# KiCad board yddraig030.kicad_pcb (continued)
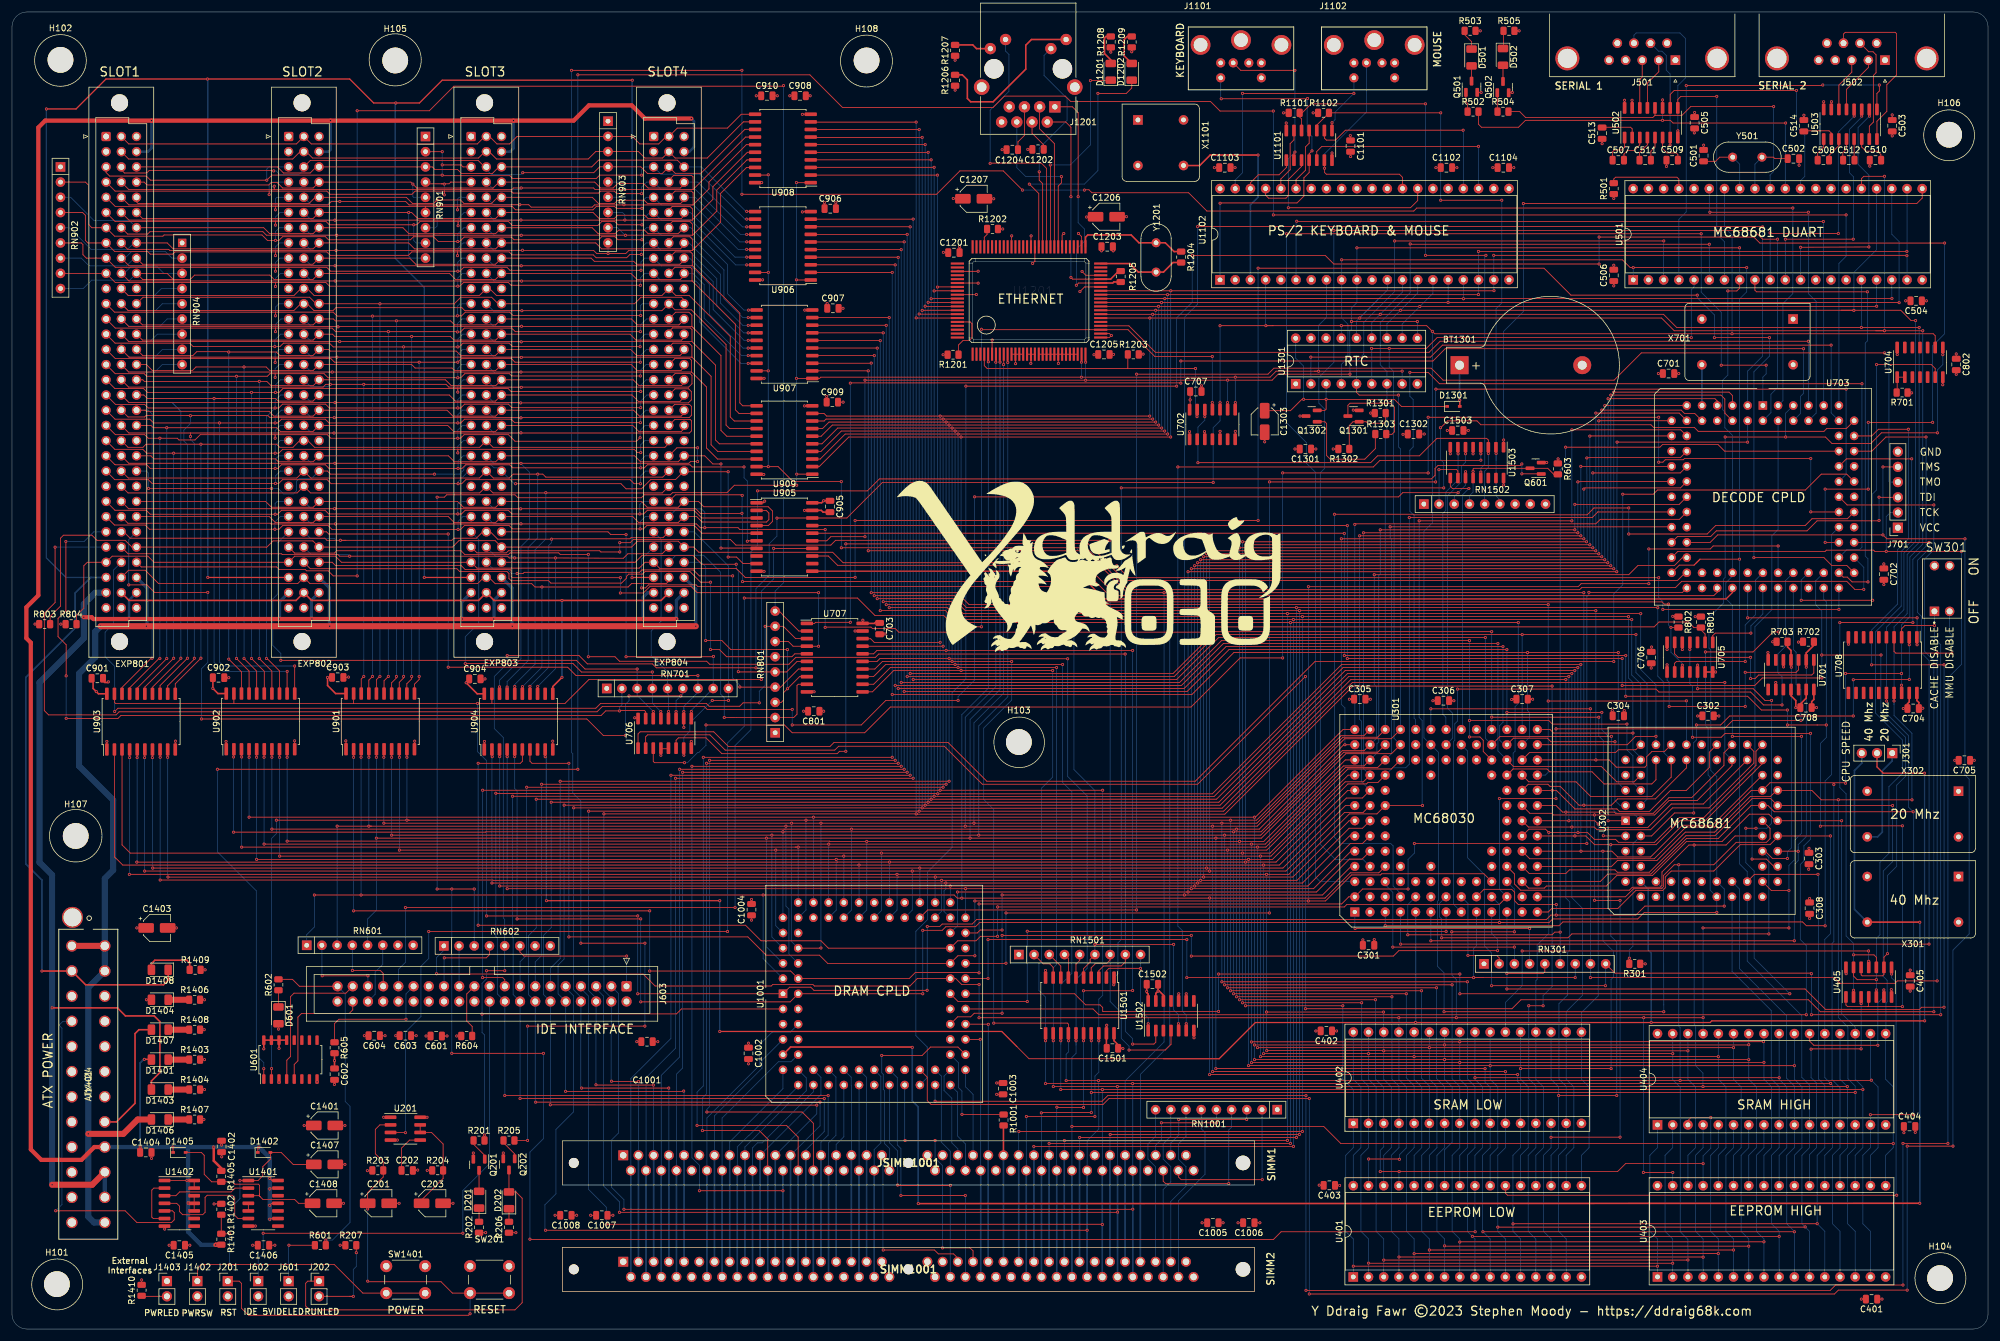
[diagram p0: board, top side]
## Routing (per net, layer and track width the routed paths; a pad name or vN(x,y) marks a point on that pad's centre or on a via; arc(x,y) is an arc through that point) (continued)
  Bottom w0.127: EXP802.A4 43.27,191.58 42.95,191.26 v1(42.95,189.5) ; v1(72.2,191.25) v1(72.2,189.45) ; v1(122.7,182.85) 121.65,182.85 114.15,190.35 108.39,190.35 EXP804.A4 105.98,191.58 105.15,190.75 v1(105.15,189.65)
/Expansion Slots/BD3: length 114.3
  Top w0.127: U906.13 124.08,184.1 v1(122.7,184.1) ; EXP801.C4 22.07,191.58 22.55,191.1 42.9,191.1 43.3,191.5 44.3,191.5 45.21,190.59 50.29,190.59 EXP802.C4 66.62,191.58 v1(66.95,191.25) 67.61,190.59 80.34,190.59 81.33,191.58 EXP803.C4 97.32,191.58 98.31,190.59 100.39,190.59 101.15,191.35 105.48,191.35 106.24,190.59 111.59,190.59 112.24,191.24 EXP804.C4
  Bottom w0.127: v1(66.95,191.25) 66.95,189.15 67.06,189.04 RN901.5 ; v1(122.7,184.1) 122,184.1 114.52,191.58 EXP804.C4
/Expansion Slots/BD4: length 125.3
  Top w0.127: 74.43,187.52 69.03,187.52 ; 74.43,187.52 83.53,187.52 84.1,186.95 97.02,186.95 97.58,187.52 100.63,187.52 100.95,187.2 105.18,187.2 v1(105.2,187.18) ; 74.43,187.52 74.4,187.48 v1(74.4,186.95) ; 69.03,187.52 44.08,187.52 ; 69.03,187.52 69.06,187.49 RN901.6 ; 44.08,187.52 17.24,187.52 EXP801.A5 ; 44.08,187.52 44,187.43 v1(44,186.95) ; v1(122.7,180.35) 122.74,180.31 U906.16
  Bottom w0.127: v1(105.2,187.18) 105.2,188.3 105.94,189.04 EXP804.A5 108.45,187.75 113.85,187.75 121.3,180.3 122.65,180.3 v1(122.7,180.35) ; v1(74.4,186.95) 74.4,188.75 74.69,189.04 EXP803.A5 ; v1(44,186.95) 44,188.8 44.24,189.04 EXP802.A5
/Expansion Slots/BD5: length 116.9
  Top w0.127: EXP801.C5 20.8,188.28 21.05,188.02 49.62,188.02 50.64,189.04 EXP802.C5 65.86,189.04 66.87,188.02 70.42,188.02 v1(71,188.6) 74.9,188.6 75.47,188.02 80.07,188.02 81.09,189.04 EXP803.C5 96.91,189.04 97.93,188.02 100.62,188.02 101.15,188.55 105.6,188.55 106.13,188.02 111.68,188.02 112.24,188.59 EXP804.C5 ; U906.15 124.07,181.6 v1(122.7,181.6)
  Bottom w0.127: EXP804.C5 114.11,189.04 121.55,181.6 v1(122.7,181.6) ; RN901.7 70.71,183.96 71,184.25 v1(71,188.6)
/Expansion Slots/BD6: length 128.8
  Top w0.127: 43.97,184.98 52.47,184.98 53,184.45 v1(67.1,184.45) 67.6,184.45 68.13,184.98 74.53,184.98 ; 43.97,184.98 17.24,184.98 EXP801.A6 ; 43.97,184.98 44,184.95 v1(44,184.4) ; v1(105.2,184.45) 101.2,184.45 100.68,184.98 98.48,184.98 97.85,184.35 83.55,184.35 82.92,184.98 74.53,184.98 ; 74.53,184.98 74.5,184.95 v1(74.5,184.3) ; v1(122.7,177.75) 124.08,177.75 U906.18
  Bottom w0.127: v1(44,184.4) 44,185.75 44.75,186.5 EXP802.A6 ; RN901.8 67.48,181.42 67.1,181.8 v1(67.1,184.45) ; v1(74.5,184.3) 74.5,185.5 75.5,186.5 EXP803.A6 ; v1(105.2,184.45) 105.2,185.2 106.5,186.5 EXP804.A6 108.41,185.25 113.35,185.25 120.85,177.75 v1(122.7,177.75)
/Expansion Slots/BD7: length 119.9
  Top w0.127: EXP804.C6 112.24,185.96 111.77,185.48 106.23,185.48 105.67,186.05 101.15,186.05 100.58,185.48 98.07,185.48 97.05,186.5 EXP803.C6 80.74,185.48 67.77,185.48 66.75,186.5 v1(66.25,186.5) EXP802.C6 50.26,185.48 21.82,185.48 EXP801.C6 ; U906.17 124.09,179.05 v1(122.7,179.05)
  Bottom w0.127: RN901.9 66.62,178.88 66.25,179.25 v1(66.25,186.5) ; EXP804.C6 113.3,186.5 120.75,179.05 v1(122.7,179.05)
/Expansion Slots/BD8: length 144.7
  Top w0.127: v1(105.2,181.95) 101.2,181.95 100.71,182.44 100.71,182.46 98.49,182.46 97.98,181.95 83.85,181.95 83.4,182.4 75.5,182.4 74.75,181.65 v1(74.45,181.65) 71.2,181.65 70.4,182.45 67.05,182.45 66.55,181.95 52.85,181.95 52.34,182.46 45.19,182.46 44.58,181.85 v1(44,181.85) 42.65,181.85 41.75,182.75 25.4,182.75 25.2,182.55 17.13,182.55 EXP801.A7 13.34,183.96 12.8,184.5 12.8,191.05 12.27,191.58 RN902.2 ; v1(122.95,168.95) 124.34,168.95 U907.12
  Bottom w0.127: v1(74.45,181.65) 74.45,182.95 75.46,183.96 EXP803.A7 ; v1(122.95,168.95) 122.05,168.95 118.9,172.1 118.9,176.9 113.1,182.7 108.42,182.7 EXP804.A7 105.96,183.96 105.2,183.2 v1(105.2,181.95) ; v1(44,181.85) 44,183.3 44.66,183.96 EXP802.A7
/Expansion Slots/BD9: length 129.9
  Top w0.127: U907.11 124.34,170.2 v1(123,170.2) ; EXP801.C7 42.04,183.96 43.03,182.97 50.29,182.97 EXP802.C7 65.29,183.96 66.29,182.96 71.45,182.96 71.46,182.97 80.77,182.97 EXP803.C7 96.89,183.96 97.88,182.97 100.72,182.97 101.3,183.55 105.65,183.55 106.23,182.97 111.25,182.97 EXP804.C7
  Bottom w0.127: RN902.3 9.81,189.04 13.7,185.15 19.61,185.15 EXP801.C7 ; v1(123,170.2) 122.25,170.2 119.5,172.95 119.5,177.82 113.36,183.96 EXP804.C7
/Expansion Slots/BD10: length 142.2
  Top w0.127: 74.38,179.92 83.03,179.92 83.53,179.42 97.08,179.42 97.55,178.95 102.65,178.95 103.2,179.5 v1(105.1,179.5) ; 74.38,179.92 74.4,179.9 v1(74.4,179.3) ; 74.38,179.92 66.77,179.92 66.2,179.35 53.15,179.35 52.58,179.92 44.03,179.92 ; 44.03,179.92 27.22,179.92 26.85,179.55 23.1,179.55 22.65,180 17.14,180 EXP801.A8 12.68,181.42 12.25,181.85 12.25,186.05 11.8,186.5 RN902.4 ; 44.03,179.92 44,179.89 v1(44,179.3) ; v1(122.95,166.4) 124.34,166.4 U907.14
  Bottom w0.127: v1(74.4,179.3) 74.4,180.45 75.37,181.42 EXP803.A8 ; v1(122.95,166.4) 122.2,166.4 117.7,170.9 117.7,175.45 113,180.15 108.43,180.15 EXP804.A8 105.92,181.42 105.1,180.6 v1(105.1,179.5) ; v1(44,179.3) 44,180.75 44.67,181.42 EXP802.A8
/Expansion Slots/BD11: length 129.4
  Top w0.127: EXP804.C8 112.24,181.04 111.63,180.43 98.48,180.43 97.49,181.42 EXP803.C8 80.77,180.43 67.23,180.43 66.24,181.42 EXP802.C8 50.29,180.43 26.92,180.43 25.93,181.42 EXP801.C8 ; U907.13 124.32,167.65 v1(122.95,167.65)
  Bottom w0.127: EXP804.C8 113.08,181.42 118.3,176.2 118.3,171.4 122.05,167.65 v1(122.95,167.65) ; EXP801.C8 20.37,181.42 19.3,180.35 13.2,180.35 9.59,183.96 RN902.5
/Expansion Slots/BD12: length 139.2
  Top w0.127: 44.01,177.36 17.24,177.36 EXP801.A9 12.42,178.88 11.85,179.45 11.85,181.15 11.58,181.42 RN902.6 ; 44.01,177.36 52.56,177.36 53.21,176.7 v1(74.45,176.7) 74.8,176.7 75.46,177.36 82.66,177.36 83.16,176.85 v1(105.05,176.85) ; 44.01,177.36 44,177.35 v1(44,176.7) ; v1(122.95,163.85) 124.34,163.85 U907.16
  Bottom w0.127: EXP803.A9 75.13,178.88 74.45,178.2 v1(74.45,176.7) ; EXP802.A9 44.73,178.88 44,178.15 v1(44,176.7) ; v1(122.95,163.85) 122.1,163.85 116.45,169.5 116.45,174.55 113.4,177.6 108.44,177.6 EXP804.A9 105.68,178.88 105.05,178.25 v1(105.05,176.85)
/Expansion Slots/BD13: length 128.4
  Top w0.127: EXP801.C9 21.82,177.86 50.26,177.86 EXP802.C9 66.42,178.88 67.44,177.86 80.74,177.86 EXP803.C9 96.72,178.88 97.25,178.35 103.83,178.35 104.31,177.86 111.54,177.86 112.24,178.57 EXP804.C9 ; U907.15 124.34,165.15 v1(122.95,165.15)
  Bottom w0.127: EXP804.C9 113.17,178.88 117.1,174.95 117.1,170.3 122.25,165.15 v1(122.95,165.15) ; RN902.7 11.57,178.88 12.85,177.6 19.15,177.6 20.43,178.88 EXP801.C9
/Expansion Slots/BD14: length 137.5
  Top w0.127: v1(44,174.15) 44,174.78 44.03,174.82 ; 44.03,174.82 17.24,174.82 EXP801.A10 RN902.8 ; 44.03,174.82 52.42,174.82 53.03,174.2 v1(74.45,174.2) 74.8,174.2 75.42,174.82 82.88,174.82 83.35,174.35 v1(104.95,174.35) ; v1(122.95,161.3) 124.32,161.3 U907.18
  Bottom w0.127: v1(74.45,174.2) 74.45,175.55 75.24,176.34 EXP803.A10 ; v1(104.95,174.35) 104.95,175.6 105.7,176.35 107.15,176.35 EXP804.A10 108.45,175.05 114.2,175.05 114.85,174.4 114.85,168.2 121.75,161.3 v1(122.95,161.3) ; v1(44,174.15) 44,175.5 44.84,176.34 EXP802.A10
/Expansion Slots/BD15: length 143.7
  Top w0.127: 21.82,175.32 29.77,175.32 30.5,176.05 43.05,176.05 43.78,175.32 50.26,175.32 EXP802.C10 73.06,176.34 74.08,175.32 80.74,175.32 EXP803.C10 103.36,176.34 104.37,175.32 111.62,175.32 112.24,175.94 EXP804.C10 ; 21.82,175.32 26.93,175.32 ; 21.82,175.32 EXP801.C10 25.91,176.34 26.93,175.32 ; 26.93,175.32 29.28,175.32 ; U907.17 124.34,162.6 v1(122.95,162.6)
  Bottom w0.127: v1(122.95,162.6) 121.85,162.6 115.6,168.85 115.6,174.45 113.71,176.34 EXP804.C10 ; RN902.9 11.9,173.8 13.3,175.2 19.66,175.2 EXP801.C10
/Expansion Slots/BD16: length 111.5
  Top w0.127: EXP801.B1 19.5,197.96 47.5,197.96 EXP802.B1 49.98,197.96 77.71,197.96 78.95,199.2 EXP803.B1 79.75,199.2 80.99,197.96 83.09,197.96 84.35,199.22 RN903.2 103.59,199.22 104.84,197.96 108.01,197.96 109.25,199.2 EXP804.B1 111.1,200.6 119.47,200.6 121.78,202.91 U908.11
/Expansion Slots/BD17: length 112.6
  Top w0.127: EXP801.B2 19.48,195.44 46.89,195.44 48.1,196.65 48.73,196.65 EXP802.B2 49.14,196.66 50.2,195.6 77.9,195.6 78.96,196.66 EXP803.B2 79.23,196.65 79.7,196.65 80.91,195.44 96.24,195.44 97.47,196.68 RN903.3 104.62,196.68 105.7,195.6 108.64,195.6 EXP804.B2 110.76,195.6 116.1,195.6 122.15,201.65 U908.12
/Expansion Slots/BD18: length 114.4
  Top w0.127: v1(43.7,193.45) 43.65,193.5 22.9,193.5 22.5,193.1 18.8,193.1 18.26,193.64 EXP801.B3 ; EXP802.B3 49.82,195.2 77.85,195.2 78.93,194.12 EXP803.B3 ; v1(85.3,193.15) 97.15,193.15 98.13,194.13 RN903.4 105.01,194.13 106.15,193 108.58,193 EXP804.B3 110.77,193.05 115.05,193.05 122.4,200.4 124.07,200.4 U908.13
  Bottom w0.127: v1(43.7,193.45) 44.1,193.45 44.7,192.85 47.9,192.85 48.74,193.69 EXP802.B3 ; v1(85.3,193.15) 85,192.85 80.05,192.85 79.22,193.68 EXP803.B3
/Expansion Slots/BD19: length 134.6
  Top w0.127: EXP801.B4 19.5,190.34 43.86,190.34 ; 124.1,199.1 122.5,199.1 113.74,190.34 ; v1(43.8,190.9) 43.8,190.4 43.86,190.34 ; 43.86,190.34 83.49,190.34 83.75,190.6 v1(85.05,190.6) 97.12,190.6 97.39,190.34 113.74,190.34 ; 113.74,190.34 113.74,192.46 113.5,192.7 110.5,192.7 109.7,191.9 EXP804.B4
  Bottom w0.127: v1(102.35,190.35) 102.35,191.25 102,191.59 RN903.5 ; v1(43.8,190.9) 43.45,190.85 43.95,190.35 48,190.35 48.74,191.09 EXP802.B4 ; v1(85.05,190.6) 84.8,190.35 80.45,190.35 EXP803.B4
/Expansion Slots/BD20: length 135.2
  Top w0.127: 113.73,187.77 97.28,187.77 96.91,187.4 86.7,187.4 86.3,187.8 v1(84.8,187.8) 83.5,187.8 83.47,187.77 66.32,187.77 65.74,188.35 v1(54.75,188.35) 53.35,188.35 52.77,187.77 19.53,187.77 EXP801.B5 ; 113.73,187.77 113.73,187.78 116.4,190.45 116.4,191.6 122.63,197.84 U908.15 ; 113.73,187.77 113.75,187.79 113.75,189.8 113.47,190.08 110.74,190.08 EXP804.B5
  Bottom w0.127: v1(102.2,187.8) 102.2,188.65 101.79,189.06 RN903.6 ; v1(54.75,188.35) 54.7,188.4 53.25,188.4 52.65,187.8 49.98,187.8 EXP802.B5 ; EXP803.B5 80.46,187.8 v1(84.8,187.8)
/Expansion Slots/BD21: length 134.8
  Top w0.127: 113.63,185.23 113.63,187.12 113.25,187.5 110.25,187.5 109.7,186.95 EXP804.B6 ; 113.63,185.23 85.02,185.23 v1(85,185.25) 84.98,185.23 v1(53.93,185.23) 19.53,185.23 EXP801.B6 ; 113.63,185.23 113.63,185.28 117.05,188.7 117.05,190.8 122.81,196.56 124.1,196.56
  Bottom w0.127: v1(102.35,185.25) 102.35,186.1 101.94,186.51 RN903.7 ; v1(85,185.25) 80.47,185.25 EXP803.B6 ; EXP802.B6 50.01,185.23 v1(53.93,185.23)
/Expansion Slots/BD22: length 136.5
  Top w0.127: EXP804.B7 109.7,184.4 110.28,184.98 113.22,184.98 113.63,184.57 113.63,182.72 ; EXP801.B7 19.32,182.9 22.65,182.9 23.05,183.3 41.9,183.3 42.48,182.72 v1(54.22,182.72) 54.23,182.7 85.02,182.7 85.03,182.72 ; v1(85.05,182.7) 85.03,182.72 ; 85.03,182.72 113.63,182.72 ; 113.63,182.72 113.67,182.72 117.7,186.75 117.7,190.25 122.75,195.3 U908.17
  Bottom w0.127: EXP802.B7 49.98,182.72 v1(54.22,182.72) ; v1(102.45,182.7) 102.45,182.65 101.12,183.97 RN903.8 ; EXP803.B7 80.48,182.7 v1(85.05,182.7)
/Expansion Slots/BD23: length 137
  Top w0.127: 114.25,180.8 113.67,180.22 113.62,180.22 ; 114.25,180.8 113.63,180.18 113.62,180.18 ; 114.25,180.8 118.35,184.9 118.35,189.7 122.68,194.03 124.1,194.03 ; 113.62,180.18 113.62,182.03 113.2,182.45 110.45,182.45 109.7,181.7 EXP804.B8 ; 113.62,180.18 103.03,180.18 102.5,179.65 v1(99.55,179.65) 97.65,179.65 97.12,180.18 85.27,180.18 v1(85.25,180.2) 85.23,180.18 v1(54.12,180.18) 26.34,180.18 26.17,180.35 19.33,180.35 EXP801.B8
  Bottom w0.127: v1(99.55,179.65) 99.54,179.66 RN903.9 ; EXP803.B8 80.44,180.2 v1(85.25,180.2) ; v1(54.12,180.18) 49.98,180.18 EXP802.B8
/Expansion Slots/BD24: length 154.9
  Top w0.127: EXP801.B9 19.53,177.61 v1(53.96,177.61) 113.61,177.61 113.61,177.74 ; 113.61,177.74 113.61,177.64 121.55,169.7 121.55,154.7 122.03,154.22 U909.11 ; 113.61,177.74 113.61,179.64 113.33,179.92 110.74,179.92 EXP804.B9
  Bottom w0.127: v1(53.96,177.61) 50.01,177.61 EXP802.B9 ; RN904.2 26.72,178.88 25.6,180 20,180 18.88,178.88 EXP801.B9 ; v1(85.05,177.6) 80.5,177.6 EXP803.B9
/Expansion Slots/BD25: length 154
  Top w0.127: 85.05,175.1 85.02,175.07 ; 85.02,175.07 v1(53.98,175.07) 19.53,175.07 EXP801.B10 ; 85.02,175.07 113.57,175.07 ; U909.12 121.41,152.94 120.8,153.55 120.8,167.85 113.58,175.07 113.57,175.07 ; EXP804.B10 110.72,177.36 113.29,177.36 113.57,177.08 113.57,175.07
  Bottom w0.127: v1(53.98,175.07) 53.96,175.05 50.03,175.05 EXP802.B10 ; v1(85.1,175.05) 80.51,175.05 EXP803.B10 ; RN904.3 25.36,176.34 24.15,177.55 19.95,177.55 18.74,176.34 EXP801.B10
/Expansion Slots/BD26: length 137.1
  Top w0.127: U909.13 120.62,151.68 119.95,152.35 119.95,165.8 113.09,172.66 110.84,172.66 EXP804.B11 108.56,172.66 80.89,172.66 79.75,173.8 EXP803.B11 78.08,172.66 50.44,172.66 49.3,173.8 EXP802.B11 48.25,173.8 47.11,172.66 19.4,172.66 EXP801.B11
  Bottom w0.127: RN904.4 24.95,173.8 23.8,172.65 19.41,172.65 EXP801.B11
/Expansion Slots/BD27: length 142.5
  Top w0.127: EXP801.B12 19.4,170.12 47.07,170.12 48.2,171.25 48.73,171.25 EXP802.B12 48.75,171.25 49.3,171.25 50.43,170.12 53.62,170.12 54.1,170.6 75.13,170.6 75.62,170.12 85.13,170.12 v1(85.15,170.1) 108.54,170.1 EXP804.B12 110.71,170.25 113.45,170.25 119.25,164.45 119.25,151 119.84,150.41 U909.14
  Bottom w0.127: v1(85.15,170.1) 80.48,170 EXP803.B12 ; RN904.5 25.11,171.26 23.95,170.1 19.42,170.1 EXP801.B12
/Expansion Slots/BD28: length 152.1
  Top w0.127: 113.8,167.2 113.53,167.47 113.53,167.48 19.5,167.48 EXP801.B13 ; 113.8,167.2 118.4,162.6 118.4,150.1 119.37,149.13 U909.15 ; 113.8,167.2 113.55,167.45 113.55,169.35 113.05,169.85 110.83,169.85 EXP804.B13
  Bottom w0.127: EXP803.B13 80.44,167.5 v1(85.1,167.5) ; v1(54.45,167.4) 54.4,167.45 50.01,167.45 EXP802.B13 ; RN904.6 25.92,168.72 24.7,167.5 19.48,167.5 EXP801.B13
/Expansion Slots/BD29: length 151.7
  Top w0.127: 113.56,164.94 113.56,166.94 113.28,167.22 110.32,167.22 109.7,166.6 EXP804.B14 ; 113.56,164.94 v1(54.74,164.94) 19.5,164.94 EXP801.B14 ; 113.56,164.94 117.5,161 117.5,148.5 118.13,147.87 U909.16
  Bottom w0.127: EXP802.B14 49.98,164.94 v1(54.74,164.94) ; EXP803.B14 80.5,164.9 v1(85.05,164.9) ; RN904.7 24.28,166.18 23.05,164.95 19.49,164.95 EXP801.B14
/Expansion Slots/BD30: length 150.1
  Top w0.127: 113.54,162.34 113.56,162.34 116.75,159.15 116.75,147.7 117.85,146.59 U909.17 ; 113.54,162.34 113.55,162.35 113.55,164.2 113.07,164.68 110.38,164.68 109.7,164 EXP804.B15 ; 113.54,162.34 v1(54.26,162.34) 19.56,162.34 EXP801.B15
  Bottom w0.127: v1(54.26,162.34) 54.25,162.35 50.03,162.35 EXP802.B15 ; EXP803.B15 80.56,162.3 v1(85.05,162.3) ; RN904.8 25.14,163.64 23.8,162.3 19.6,162.3 EXP801.B15
/Expansion Slots/BD31: length 147.7
  Top w0.127: 113.49,159.86 v1(53.49,159.86) 19.5,159.86 EXP801.B16 ; 113.49,159.86 113.5,159.86 113.5,161.8 113.21,162.09 110.69,162.09 EXP804.B16 ; 113.49,159.86 116,157.35 116,147.15 117.82,145.32 U909.18
  Bottom w0.127: v1(53.49,159.86) 53.49,159.85 49.99,159.85 EXP802.B16 ; v1(85,159.85) 84.95,159.8 80.52,159.8 EXP803.B16 ; RN904.9 25.1,161.1 23.85,159.85 19.51,159.85 EXP801.B16
/Expansion Slots/BRD/~{WR}: length 122.9
  Top w0.127: EXP801.A26 17.12,134.3 22.25,134.3 22.95,133.6 v1(43.9,133.6) 44.6,133.6 45.23,134.23 52.77,134.23 53.45,133.55 v1(74.5,133.55) 74.9,133.55 75.58,134.23 83.02,134.23 83.6,133.65 v1(104.9,133.65) 105.45,133.65 106.03,134.23 113.92,134.23 115.22,132.94 U905.5
  Bottom w0.127: EXP803.A26 75.3,135.7 74.5,134.9 v1(74.5,133.55) ; EXP802.A26 44.8,135.7 43.9,134.8 v1(43.9,133.6) ; v1(104.9,133.65) 104.9,134.85 105.75,135.7 EXP804.A26
/Expansion Slots/BSIZ0: length 128.4
  Top w0.127: 55.75,131.75 73.45,131.75 73.8,132.1 77.55,132.1 78.61,133.16 EXP803.B27 79.89,133.16 81.11,131.94 v1(90.11,131.94) 90.17,132 103.2,132 103.4,132.2 103.42,132.18 108.72,132.18 EXP804.B27 ; 55.75,131.75 52.6,131.75 52.25,132.1 19.73,132.1 18.67,133.16 EXP801.B27 ; 55.75,131.75 v1(54.85,131.75) ; U904.14 86.5,107.15
  Bottom w0.127: EXP802.B27 49.85,132.05 53.85,132.05 54.15,131.75 v1(54.85,131.75) ; v1(86.5,107.35) 86.5,107.4 89.65,110.55 89.65,130.9 90.11,131.36 v1(90.11,131.94)
/Expansion Slots/BSIZ1: length 131.7
  Top w0.127: EXP804.B28 108.58,129.5 102.86,129.5 102.11,128.75 v1(90.75,128.8) v1(83.95,128.8) 83.05,128.8 82.75,129.1 v1(56.4,129.1) 54.7,129.1 54.45,129.35 45.15,129.35 45,129.5 19.38,129.5 EXP801.B28 ; v1(87.8,107.35) 87.77,107.32 U904.13 87.77,107.17
  Bottom w0.127: v1(56.4,129.1) 56.14,129.35 50.01,129.35 EXP802.B28 ; v1(87.8,107.35) 90.75,110.3 v1(90.75,128.8) ; v1(83.95,128.8) 83.65,129.1 80.74,129.1 EXP803.B28
/Expansion Slots/~{BAS}: length 135.1
  Top w0.127: v1(122.25,144) 113.6,144 113.24,144.36 106.11,144.36 105.6,143.85 v1(105,143.85) 83.65,143.85 83.14,144.36 75.76,144.36 75.15,143.75 73.9,143.75 ; 73.9,143.75 v1(74.5,143.75) ; 73.9,143.75 52.95,143.75 52.34,144.36 44.99,144.36 44.38,143.75 v1(43.95,143.75) 23.1,143.75 22.49,144.36 17.24,144.36 17.17,144.44 17.14,144.44 EXP801.A22 ; v1(122.8,131.6) 122.87,131.67 U905.6
  Bottom w0.127: v1(43.95,143.75) 43.95,145.25 44.56,145.86 EXP802.A22 ; EXP804.A22 105.76,145.86 105,145.1 v1(105,143.85) ; v1(74.5,143.75) 74.5,145 75.36,145.86 EXP803.A22 ; v1(122.25,144) 122.25,142.2 122.8,141.65 v1(122.8,131.6)
/Expansion Slots/~{BDS}: length 115
  Top w0.127: v1(85.25,107.3) 85.23,107.28 U904.15 ; EXP801.B30 19.47,126.75 22.25,126.75 24.48,124.52 47.72,124.52 EXP802.B30 49.76,124.52 77.77,124.52 78.79,125.54 EXP803.B30 79.66,125.54 80.7,124.5 86.8,124.5 87.35,123.95 v1(88.5,123.95) 102.9,123.95 103.5,124.55 109.3,124.55 109.7,124.95 EXP804.B30
  Bottom w0.127: v1(85.25,107.3) 88.5,110.55 v1(88.5,123.95)
/Expansion Slots/~{BLDS}: length 123.7
  Top w0.127: EXP801.A25 17.19,136.77 22.42,136.77 23.08,136.1 v1(43.95,136.1) 44.35,136.1 45.02,136.77 52.28,136.77 52.9,136.15 v1(74.45,136.15) 75.07,136.15 75.68,136.77 82.88,136.77 83.5,136.15 v1(104.85,136.15) 105.5,136.15 106.12,136.77 113.88,136.77 115.18,135.47 U905.3
  Bottom w0.127: v1(74.45,136.15) 74.45,137.85 74.84,138.24 EXP803.A25 ; v1(43.95,136.1) 43.95,137.9 44.29,138.24 EXP802.A25 ; EXP804.A25 105.34,138.24 104.85,137.75 v1(104.85,136.15)
/Expansion Slots/~{BRESET}: length 111.9
  Top w0.127: EXP801.C26 43,135.7 43.97,134.73 50.31,134.73 EXP802.C26 72.87,135.7 73.83,134.73 80.79,134.73 EXP803.C26 103.67,135.7 104.63,134.73 111.27,134.73 EXP804.C26 114.35,135.7 115.25,134.8 126,134.8 126.4,135.2 126.4,136.3 125.96,136.75 U905.2
/Expansion Slots/~{BUDS}: length 113.9
  Top w0.127: EXP801.C25 42.36,138.24 43.33,137.27 50.31,137.27 EXP802.C25 74.41,138.24 75.38,137.27 80.79,137.27 EXP803.C25 105.11,138.24 106.07,137.27 111.27,137.27 EXP804.C25 114.66,138.24 115.55,137.35 126.3,137.35 127,136.65 127,134.9 126.31,134.2 U905.4
/Expansion Slots/~{BVMA}: length 120.6
  Top w0.127: v1(118.4,130.45) 124.29,130.45 U905.7 ; v1(118.4,144.5) 117.05,144.5 115.69,145.86 EXP804.C22 111.25,144.87 104.97,144.87 103.98,145.86 EXP803.C22 80.77,144.87 73.88,144.87 72.89,145.86 EXP802.C22 50.29,144.87 44.48,144.87 44,145.35 23.7,145.35 23.19,145.86 EXP801.C22
  Bottom w0.127: v1(118.4,144.5) v1(118.4,130.45)
/Expansion Slots/~{BVPA}: length 102.1
  Top w0.127: v1(104.95,141.2) 103.9,141.2 103.23,141.87 75.78,141.87 75.1,141.2 v1(74.5,141.2) 53.3,141.2 52.63,141.87 45.17,141.87 44.55,141.25 v1(44,141.25) 23.39,141.25 22.77,141.87 17.17,141.87 EXP801.A23
  Bottom w0.127: v1(104.95,141.2) 104.95,142.45 105.82,143.32 EXP804.A23 ; v1(74.5,141.2) 74.5,141.55 76.27,143.32 EXP803.A23 ; EXP802.A23 44.82,143.32 44,142.5 v1(44,141.25)
/Expansion Slots/~{CS_EXTDATA1}: length 137.5
  Top w0.127: 110.91,102.07 110.91,103.15 v1(110.9,103.15) ; v1(102.45,99.15) 98.75,99.15 96,101.9 v1(31.65,101.9) ; v1(32.7,123.05) 23.8,123.05 22.55,124.3 v1(19.5,124.3) ; v1(103.05,105.75) v1(111.7,105.75)
  Bottom w0.127: v1(110.9,103.15) 110.9,104.95 v1(111.7,105.75) 112.03,106.07 RN701.6 ; v1(103.05,105.75) 103.05,104.95 102.45,104.35 v1(102.45,99.15) ; v1(32.7,123.05) 32.7,111.35 31.65,110.3 v1(31.65,101.9) ; v1(19.5,124.3) 19.5,131.86 EXP801.C27
/Expansion Slots/~{CS_EXTDATA2}: length 99.2
  Top w0.127: EXP802.C27 52.54,133.16 52.9,132.8 v1(72.85,132.8) ; v1(112.2,100.5) 112.18,100.53 112.18,103.12 v1(112.2,103.15) ; v1(72.85,110.55) 92.8,110.55 94.2,109.15 v1(114.55,109.15)
  Bottom w0.127: v1(112.2,100.5) 112.2,103.8 ; 112.2,103.8 v1(112.2,103.15) ; 112.2,103.8 112.2,104 114.56,106.37 RN701.7 114.56,109.13 v1(114.55,109.15) ; v1(72.85,132.8) v1(72.85,110.55)
/Expansion Slots/~{CS_EXTDATA3}: length 67.8
  Top w0.127: v1(102.55,112.3) 117.1,112.3 v1(117.15,112.35) ; EXP803.C27 99.54,133.16 100,132.7 v1(102.55,132.7) ; v1(113.45,103.15) 113.44,103.15 113.44,102.07
  Bottom w0.127: v1(102.55,132.7) v1(102.55,112.3) ; v1(117.15,112.35) 117.1,112.31 RN701.8 113.45,103.34 v1(113.45,103.15)
/Expansion Slots/~{CS_EXTDATA4}: length 47.1
  Top w0.127: 112.18,96.93 112.18,95.88 v1(112.2,95.85) ; v1(116.95,105) 119.64,105 v1(119.65,105)
  Bottom w0.127: v1(112.2,95.85) 112.2,98.85 113.2,99.85 113.2,101.25 v1(116.95,105) ; v1(119.65,105) RN701.9 119.65,127.45 113.94,133.16 EXP804.C27
/Expansion Slots/~{CS_EXTREG1}: length 140.4
  Top w0.127: v1(9.05,102) 17.7,102 18.2,102.5 98.4,102.5 99.15,103.25 v1(101.45,103.25) 101.5,103.3 105.65,103.3 105.82,103.12 105.82,102.07 ; v1(9,131.55) 9,120 7.69,118.69 7.69,115.66 9.05,114.3 v1(9.05,109.1)
  Bottom w0.127: v1(101.45,103.25) 101.45,103.85 101.87,104.26 RN701.2 ; v1(9.05,102) v1(9.05,109.1) ; EXP801.A27 13.66,133.16 12.05,131.55 v1(9,131.55)
/Expansion Slots/~{CS_EXTREG2}: length 92.5
  Top w0.127: v1(104.4,110.25) 95.7,110.25 94.25,111.7 v1(44.9,111.7) ; 107.09,102.07 107.09,103.15 v1(107.1,103.15)
  Bottom w0.127: v1(104.4,110.25) 104.41,110.25 RN701.3 104.41,105.84 v1(107.1,103.15) ; EXP802.A27 44.4,131.36 44.4,122.8 43.55,121.95 43.55,114.2 44.9,112.85 v1(44.9,111.7)
/Expansion Slots/~{CS_EXTREG3}: length 63.6
  Top w0.127: 108.37,102.07 108.37,103.13 v1(108.35,103.15) ; v1(106.94,109.75) 95.11,109.75 93.7,111.15 v1(75.7,111.15)
  Bottom w0.127: v1(106.94,109.75) RN701.4 106.94,104.56 v1(108.35,103.15) ; EXP803.A27 77.95,131.89 77.95,117.9 75.7,115.65 v1(75.7,111.15)
/Expansion Slots/~{CS_EXTREG4}: length 33.5
  Top w0.127: v1(109.65,103.15) 109.63,103.13 109.63,102.07
  Bottom w0.127: EXP804.A27 108.4,131.92 108.4,118.25 106.75,116.6 106.75,112.5 109.49,109.76 RN701.5 109.49,106.09 109.65,105.92 v1(109.65,103.15)
/Expansion Slots/~{EXT_IRQ1}: length 318
  Top w0.127: v1(242.75,143.2) 242.75,142.16 U1503.11 ; v1(160.75,139) 231.55,139 232.25,139.7 v1(241.5,139.7) ; v1(130.3,100.9) 141.83,100.9 145.93,105 v1(158,105) ; v1(130.3,103.5) 116.1,103.5 115.6,104 98.6,104 97.7,103.1 17.9,103.1 17.38,102.59 6.11,102.59 5.4,103.3 5.4,119.55 7.2,121.35 v1(7.2,130.6)
  Bottom w0.127: v1(7.2,130.6) 7.22,130.62 EXP801.A28 ; v1(130.3,103.5) v1(130.3,100.9) ; v1(158,105) 158,105.64 160.75,108.4 v1(160.75,139) ; RN1502.3 240.86,139.06 v1(241.5,139.7) 242.75,140.95 v1(242.75,143.2)
/Expansion Slots/~{EXT_IRQ2}: length 287.6
  Top w0.127: EXP802.A28 47.21,129.61 53.84,129.61 54.23,130 75,130 75.6,129.4 82.95,129.4 83.2,129.65 91.3,129.65 91.55,129.4 v1(96.25,129.4) ; U1501.3 181.5,59.85 182.3,60.65 185.25,60.65 185.93,61.33 RN1501.8 ; U1502.2 191.02,47.92 190.7,47.6 v1(187.15,47.6) ; v1(96.25,112.3) 100.7,112.3 101.45,111.55 116,111.55 116.5,111.05 129.75,111.05 130.9,112.2 144.2,112.2 144.75,112.75 v1(185.9,112.75)
  Bottom w0.127: 185.93,112.12 RN1501.8 ; v1(96.25,129.4) v1(96.25,112.3) ; v1(185.9,112.75) 185.93,112.72 185.93,49.72 187.15,48.5 v1(187.15,47.6)
/Expansion Slots/~{EXT_IRQ3}: length 212.2
  Top w0.127: v1(101.5,131.35) 103.25,131.35 103.8,131.9 119.95,131.9 120.9,130.95 136.75,130.95 137.55,131.75 v1(183.35,131.75) ; U1501.4 180.23,60.33 181,61.1 182.85,61.1 183.39,61.64 RN1501.7 ; EXP803.A28 77.65,129.65 82.55,129.65 82.9,130 98.15,130 98.35,129.8 v1(101.5,129.8) ; v1(186.55,46.6) 192.6,46.6 193.56,47.56 U1502.4
  Bottom w0.127: v1(101.5,129.8) v1(101.5,131.35) ; v1(186.55,46.6) 186.55,47.25 185.25,48.55 185.25,52.85 183.39,54.71 RN1501.7 183.39,131.66 v1(183.35,131.75)
/Expansion Slots/~{EXT_IRQ4}: length 175.6
  Top w0.127: U1502.5 194.83,50.97 v1(194.8,51) ; v1(194,64.25) v1(180.85,64.25) ; v1(105.15,123.8) 105.8,123.8 106.3,124.3 114.25,124.3 114.5,124.05 v1(177.35,124.05) ; U1501.5 178.96,60.21 180.05,61.3 180.05,61.75 RN1501.6
  Bottom w0.127: RN1501.6 v1(180.85,64.25) 180.85,89.95 177.35,93.45 v1(177.35,124.05) ; EXP804.A28 105.15,128.61 v1(105.15,123.8) ; v1(194.8,51) 194.8,52.5 194,53.3 v1(194,64.25)
/IDE/ACTIVE: length 56.8
  Top w0.127: R602.2 46.84,58.41 48,57.25 J603.39 ; R601.2 v1(52.41,14.86)
  Bottom w0.127: v1(52.41,14.86) 53.51,14.86 56.45,17.8 56.45,37.2 55.65,38 55.65,55.97 J603.39
/IDE/IRQ: length 274.9
  Top w0.127: v1(65.7,70.4) v1(120.75,70.4) ; v1(124.5,140) 142.85,140 144.85,142 237.05,142 237.65,142.6 237.65,143.75 238.15,144.25 251.9,144.25 v1(252.15,144.5) ; v1(252.15,142.85) 255.37,142.85 Q601.1
  Bottom w0.127: J603.31 64.53,60.08 65.7,61.25 v1(65.7,70.4) ; v1(252.15,144.5) v1(252.15,142.85) ; v1(124.5,140) 124.5,130.95 123.4,129.85 123.4,100.1 120.75,97.45 v1(120.75,70.4)
